# Altium PCB HIL_RIG_REV_1_2.PcbDoc (part 3 of 14) (continued)
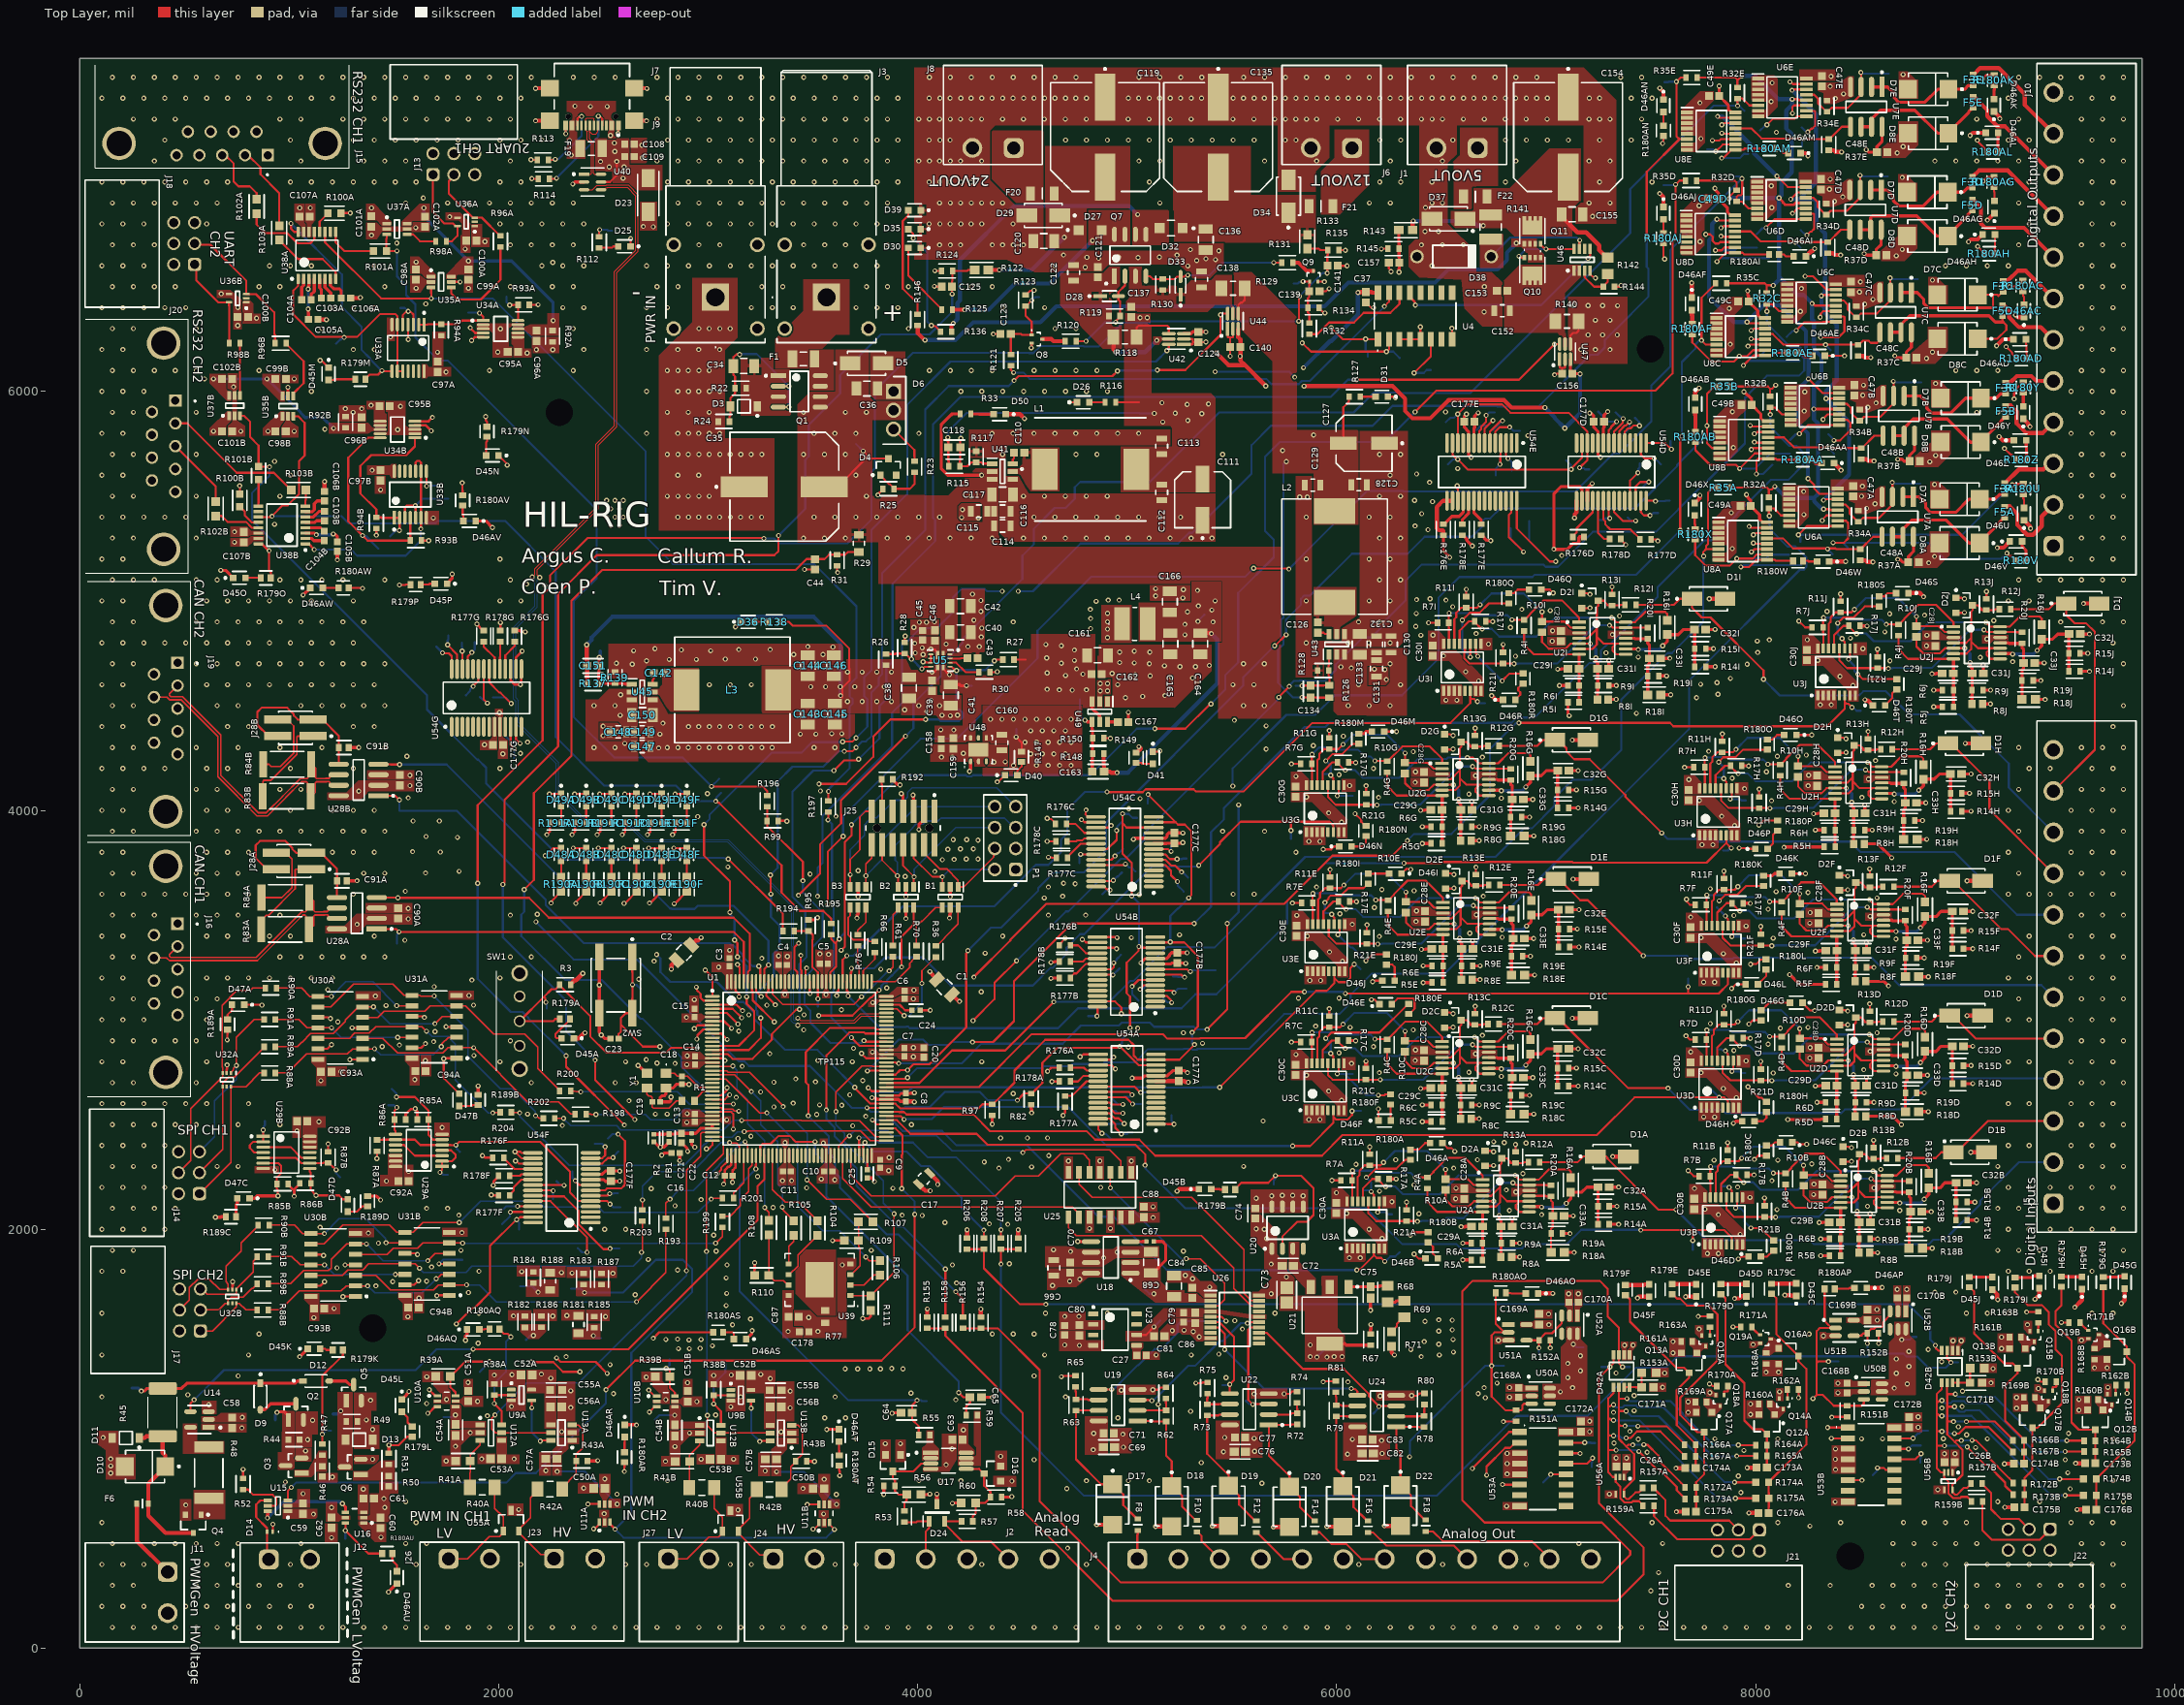
[diagram p0: Top Layer view]
## Components (designator, comment, footprint, x,y, rotation, side; value= is the part's Value field where it differs from the comment) (continued)
R168A "AC0603FR-07100KL" FP-AC0603-IPC_C#1 8050.49,1383.96 r270 top value=100k (schematic designator R168)
R168B "AC0603FR-07100KL" FP-AC0603-IPC_C#1 9618.09,1404.96 r270 top value=100k (schematic designator R168)
R169A "AC0603FR-07100KL" FP-AC0603-IPC_C#1 7739.36,1176 r180 top value=100k (schematic designator R169)
R169B "AC0603FR-07100KL" FP-AC0603-IPC_C#1 9306.96,1197 r180 top value=100k (schematic designator R169)
R170A "RT0603BRD0710KL" FP-RT0603-IPC_C 7841.36,1252 r180 top value=10k (schematic designator R170)
R170B "RT0603BRD0710KL" FP-RT0603-IPC_C 9408.96,1273 r180 top value=10k (schematic designator R170)
R171A "RT0603BRD0710KL" FP-RT0603-IPC_C 7955.36,1534 r180 top value=10k (schematic designator R171)
R171B "RT0603BRD0710KL" FP-RT0603-IPC_C 9522.96,1555 r180 top value=10k (schematic designator R171)
R172A "RT0603BRD074K7L" FP-RT0603-IPC_C 7689.36,768 r0 top value=4.7k (schematic designator R172)
R172B "RT0603BRD074K7L" FP-RT0603-IPC_C 9256.96,789 r0 top value=4.7k (schematic designator R172)
R173A "RT0603BRD074K7L" FP-RT0603-IPC_C 7689.36,712 r0 top value=4.7k (schematic designator R173)
R173B "RT0603BRD074K7L" FP-RT0603-IPC_C 9256.96,733 r0 top value=4.7k (schematic designator R173)
R174A "RT0603BRD071KL" FP-RT0603-IPC_B#1 8032,792 r0 top value=1k (schematic designator R174)
R174B "RT0603BRD071KL" FP-RT0603-IPC_B#1 9596,808 r0 top value=1k (schematic designator R174)
R175A "RT0603BRD071KL" FP-RT0603-IPC_B#2 8032,716 r0 top value=1k (schematic designator R175)
R175B "RT0603BRD071KL" FP-RT0603-IPC_B#1 9596,730 r0 top value=1k (schematic designator R175)
R176A "RT0603BRD0710KL" FP-RT0603-IPC_C 4702,2772 r180 top value=10k (schematic designator R176)
R176B "RT0603BRD0710KL" FP-RT0603-IPC_C 4702,3356 r180 top value=10k (schematic designator R176)
R176C "RT0603BRD0710KL" FP-RT0603-IPC_C 4684,3936 r180 top value=10k (schematic designator R176)
R176D "RT0603BRD0710KL" FP-RT0603-IPC_C 7154,5306 r0 top value=10k (schematic designator R176)
R176E "RT0603BRD0710KL" FP-RT0603-IPC_C 6510,5340 r270 top value=10k (schematic designator R176)
R176F "RT0603BRD0710KL" FP-RT0603-IPC_C 1998,2342 r180 top value=10k (schematic designator R176)
R176G "RT0603BRD0710KL" FP-RT0603-IPC_C 2076,4832 r90 top value=10k (schematic designator R176)
R177A "RT0603BRD0710KL" FP-RT0603-IPC_C 4704,2610 r90 top value=10k (schematic designator R177)
R177B "RT0603BRD0710KL" FP-RT0603-IPC_C 4702,3200 r0 top value=10k (schematic designator R177)
R177C "RT0603BRD0710KL" FP-RT0603-IPC_C 4688,3774 r0 top value=10k (schematic designator R177)
R177D "RT0603BRD0710KL" FP-RT0603-IPC_C 7474,5294 r180 top value=10k (schematic designator R177)
R177E "RT0603BRD0710KL" FP-RT0603-IPC_C 6690,5340 r90 top value=10k (schematic designator R177)
R177F "RT0603BRD0710KL" FP-RT0603-IPC_C 2026,2162 r0 top value=10k (schematic designator R177)
R177G "RT0603BRD0710KL" FP-RT0603-IPC_C 1928,4832 r270 top value=10k (schematic designator R177)
R178A "RT0603BRD0710KL" FP-RT0603-IPC_C 4702,2706 r0 top value=10k (schematic designator R178)
R178B "RT0603BRD0710KL" FP-RT0603-IPC_C 4702,3278 r0 top value=10k (schematic designator R178)
R178C "RT0603BRD0710KL" FP-RT0603-IPC_C 4686,3852 r0 top value=10k (schematic designator R178)
R178D "RT0603BRD0710KL" FP-RT0603-IPC_C 7330,5296 r180 top value=10k (schematic designator R178)
R178E "RT0603BRD0710KL" FP-RT0603-IPC_C 6600,5340 r90 top value=10k (schematic designator R178)
R178F "RT0603BRD0710KL" FP-RT0603-IPC_C 2026,2256 r0 top value=10k (schematic designator R178)
R178G "RT0603BRD0710KL" FP-RT0603-IPC_C 2007.79,4832 r270 top value=10k (schematic designator R178)
R179A "CRCW0603680RJNEA" FP-CRCW0603-e3-IPC_C 2316.58,3003.85 r0 top value=680 (schematic designator R179)
R179B "CRCW0603680RJNEA" FP-CRCW0603-e3-IPC_C 5491.25,2189.91 r180 top value=680 (schematic designator R179)
R179C "CRCW0603680RJNEA" FP-CRCW0603-e3-IPC_C 8076,1716 r90 top value=680 (schematic designator R179)
R179D "CRCW0603680RJNEA" FP-CRCW0603-e3-IPC_C 7834,1714 r90 top value=680 (schematic designator R179)
R179E "CRCW0603680RJNEA" FP-CRCW0603-e3-IPC_C 7602,1713.77 r90 top value=680 (schematic designator R179)
R179F "CRCW0603680RJNEA" FP-CRCW0603-e3-IPC_C 7378,1710 r90 top value=680 (schematic designator R179)
R179G "CRCW0603680RJNEA" FP-CRCW0603-e3-IPC_C 9660,1748.23 r90 top value=680 (schematic designator R179)
R179H "CRCW0603680RJNEA" FP-CRCW0603-e3-IPC_C 9460,1750 r90 top value=680 (schematic designator R179)
R179I "CRCW0603680RJNEA" FP-CRCW0603-e3-IPC_C 9238,1746 r90 top value=680 (schematic designator R179)
R179J "CRCW0603680RJNEA" FP-CRCW0603-e3-IPC_C 9020,1748 r90 top value=680 (schematic designator R179)
R179K "CRCW0603680RJNEA" FP-CRCW0603-e3-IPC_C 1232.23,1424 r180 top value=680 (schematic designator R179)
R179L "CRCW0603680RJNEA" FP-CRCW0603-e3-IPC_C 1588,1034 r90 top value=680 (schematic designator R179)
R179M "CRCW0603680RJNEA" FP-CRCW0603-e3-IPC_C 1340,6058 r180 top value=680 (schematic designator R179)
R179N "CRCW0603680RJNEA" FP-CRCW0603-e3-IPC_C 1944,5807.77 r270 top value=680 (schematic designator R179)
R179O "CRCW0603680RJNEA" FP-CRCW0603-e3-IPC_C 888,5110 r180 top value=680 (schematic designator R179)
R179P "CRCW0603680RJNEA" FP-CRCW0603-e3-IPC_C 1603.77,5078 r0 top value=680 (schematic designator R179)
R180A "CRCW0603680RJNEA" FP-CRCW0603-e3-IPC_C 6352,2355.77 r90 top value=680 (schematic designator R180)
R180AA "CRCW0603680RJNEA" FP-CRCW0603-e3-IPC_C 8224.75,5674.4 r0 top value=680 (schematic designator R180)
R180AB "CRCW0603680RJNEA" FP-CRCW0603-e3-IPC_C 7712.47,5782.75 r90 top value=680 (schematic designator R180)
R180AC "CRCW0603680RJNEA" FP-CRCW0603-e3-IPC_C 9276.29,6503.91 r270 top value=680 (schematic designator R180)
R180AD "CRCW0603680RJNEA" FP-CRCW0603-e3-IPC_C 9268.82,6157.12 r0 top value=680 (schematic designator R180)
R180AE "CRCW0603680RJNEA" FP-CRCW0603-e3-IPC_C 8175.77,6184 r0 top value=680 (schematic designator R180)
R180AF "CRCW0603680RJNEA" FP-CRCW0603-e3-IPC_C 7698,6298.23 r90 top value=680 (schematic designator R180)
R180AG "CRCW0603680RJNEA" FP-CRCW0603-e3-IPC_C 9138,7000.23 r270 top value=680 (schematic designator R180)
R180AH "CRCW0603680RJNEA" FP-CRCW0603-e3-IPC_C 9115.79,6657.44 r0 top value=680 (schematic designator R180)
R180AI "CRCW0603680RJNEA" FP-CRCW0603-e3-IPC_C 8088.23,6654 r0 top value=680 (schematic designator R180)
R180AJ "CRCW0603680RJNEA" FP-CRCW0603-e3-IPC_C 7559.99,6731.65 r90 top value=680 (schematic designator R180)
R180AK "CRCW0603680RJNEA" FP-CRCW0603-e3-IPC_C 9140,7485.77 r270 top value=680 (schematic designator R180)
R180AL "CRCW0603680RJNEA" FP-CRCW0603-e3-IPC_C 9132.68,7142.98 r0 top value=680 (schematic designator R180)
R180AM "CRCW0603680RJNEA" FP-CRCW0603-e3-IPC_C 8065.81,7159.64 r0 top value=680 (schematic designator R180)
R180AN "CRCW0603680RJNEA" FP-CRCW0603-e3-IPC_C 7560,7244.23 r90 top value=680 (schematic designator R180)
R180AO "CRCW0603680RJNEA" FP-CRCW0603-e3-IPC_C 6783.81,1696.37 r0 top value=680 (schematic designator R180)
R180AP "CRCW0603680RJNEA" FP-CRCW0603-e3-IPC_C 8353.77,1716 r0 top value=680 (schematic designator R180)
R180AQ "CRCW0603680RJNEA" FP-CRCW0603-e3-IPC_C 1980,1524 r180 top value=680 (schematic designator R180)
R180AR "CRCW0603680RJNEA" FP-CRCW0603-e3-IPC_C 2601.04,911.95 r90 top value=680 (schematic designator R180)
R180AS "CRCW0603680RJNEA" FP-CRCW0603-e3-IPC_C 3047.77,1508 r0 top value=680 (schematic designator R180)
R180AT "CRCW0603680RJNEA" FP-CRCW0603-e3-IPC_C 3626,896 r90 top value=680 (schematic designator R180)
R180AU "CRCW0603680RJNEA" FP-CRCW0603-e3-IPC_C 1468,452 r0 top value=680 (schematic designator R180)
R180AV "CRCW0603680RJNEA" FP-CRCW0603-e3-IPC_C 1828,5480 r270 top value=680 (schematic designator R180)
R180AW "CRCW0603680RJNEA" FP-CRCW0603-e3-IPC_C 1259.77,5062 r180 top value=680 (schematic designator R180)
R180B "CRCW0603680RJNEA" FP-CRCW0603-e3-IPC_C 6437.59,1961.77 r270 top value=680 (schematic designator R180)
R180C "CRCW0603680RJNEA" FP-CRCW0603-e3-IPC_C 8052,2376 r90 top value=680 (schematic designator R180)
R180D "CRCW0603680RJNEA" FP-CRCW0603-e3-IPC_C 8086,1922.23 r270 top value=680 (schematic designator R180)
R180E "CRCW0603680RJNEA" FP-CRCW0603-e3-IPC_C 6344,3052.23 r270 top value=680 (schematic designator R180)
R180F "CRCW0603680RJNEA" FP-CRCW0603-e3-IPC_C 6257.41,2619.75 r270 top value=680 (schematic designator R180)
R180G "CRCW0603680RJNEA" FP-CRCW0603-e3-IPC_C 8026,3022 r90 top value=680 (schematic designator R180)
R180H "CRCW0603680RJNEA" FP-CRCW0603-e3-IPC_C 8052,2584 r270 top value=680 (schematic designator R180)
R180I "CRCW0603680RJNEA" FP-CRCW0603-e3-IPC_C 6151.07,3673.56 r90 top value=680 (schematic designator R180)
R180J "CRCW0603680RJNEA" FP-CRCW0603-e3-IPC_C 6238.16,3288.07 r270 top value=680 (schematic designator R180)
R180K "CRCW0603680RJNEA" FP-CRCW0603-e3-IPC_C 8038,3663.77 r90 top value=680 (schematic designator R180)
R180L "CRCW0603680RJNEA" FP-CRCW0603-e3-IPC_C 8050,3264 r270 top value=680 (schematic designator R180)
R180M "CRCW0603680RJNEA" FP-CRCW0603-e3-IPC_C 6106,4342 r90 top value=680 (schematic designator R180)
R180N "CRCW0603680RJNEA" FP-CRCW0603-e3-IPC_C 6140,3901.77 r270 top value=680 (schematic designator R180)
R180O "CRCW0603680RJNEA" FP-CRCW0603-e3-IPC_C 8056,4314.23 r90 top value=680 (schematic designator R180)
R180P "CRCW0603680RJNEA" FP-CRCW0603-e3-IPC_C 8105.4,3926.98 r270 top value=680 (schematic designator R180)
R180Q "CRCW0603680RJNEA" FP-CRCW0603-e3-IPC_C 6822,5012.23 r90 top value=680 (schematic designator R180)
R180R "CRCW0603680RJNEA" FP-CRCW0603-e3-IPC_C 6889.56,4629.02 r270 top value=680 (schematic designator R180)
R180S "CRCW0603680RJNEA" FP-CRCW0603-e3-IPC_C 8590,4997.77 r90 top value=680 (schematic designator R180)
R180T "CRCW0603680RJNEA" FP-CRCW0603-e3-IPC_C 8674.39,4602.25 r270 top value=680 (schematic designator R180)
R180U "CRCW0603680RJNEA" FP-CRCW0603-e3-IPC_C 9277.76,5534.59 r270 top value=680 (schematic designator R180)
R180V "CRCW0603680RJNEA" FP-CRCW0603-e3-IPC_C 9266.46,5191.8 r0 top value=680 (schematic designator R180)
R180W "CRCW0603680RJNEA" FP-CRCW0603-e3-IPC_C 8202.75,5191.37 r0 top value=680 (schematic designator R180)
R180X "CRCW0603680RJNEA" FP-CRCW0603-e3-IPC_C 7712,5317.77 r90 top value=680 (schematic designator R180)
R180Y "CRCW0603680RJNEA" FP-CRCW0603-e3-IPC_C 9277.99,6018.8 r270 top value=680 (schematic designator R180)
R180Z "CRCW0603680RJNEA" FP-CRCW0603-e3-IPC_C 9268.82,5674.58 r0 top value=680 (schematic designator R180)
R181 "RT0805BRD0710K2L" FP-RT0805-MFG 2380.64,1545.3 r270 top value=10.2k
R182 "RT0603BRD0711K5L" FP-RT0603-IPC_C 2125.64,1558.28 r270 top value=11.5k
R183 "RT0603BRD0711K5L" FP-RT0603-IPC_C 2405.64,1763.28 r270 top value=11.5k
R184 "RT0603BRD0711K3L" FP-RT0603-IPC_C 2165.64,1770 r270 top value=11.3k
R185 "RT0603BRD073K4L" FP-RT0603-IPC_C 2455.64,1556.64 r90 top value=3.4k
R186 "RT0603BRD076K98L" FP-RT0603-IPC_C 2203.81,1558.47 r90 top value=6.98k
R187 "RT0603BRD073K57L" FP-RT0603-IPC_C 2490.64,1763.28 r90 top value=3.57k
R188 "RT0805BRD0710K2L" FP-RT0805-MFG 2245.64,1751.64 r90 top value=10.2k
R189A "CRCW0603680RJNEA" FP-CRCW0603-e3-IPC_C 706,2977.77 r90 top value=680 (schematic designator R189)
R189B "CRCW0603680RJNEA" FP-CRCW0603-e3-IPC_C 1902,2618.23 r270 top value=680 (schematic designator R189)
R189C "CRCW0603680RJNEA" FP-CRCW0603-e3-IPC_C 722,2060 r0 top value=680 (schematic designator R189)
R189D "CRCW0603680RJNEA" FP-CRCW0603-e3-IPC_C 1374,2134 r270 top value=680 (schematic designator R189)
R190A "CRGCQ0603J470R" FP-CRGCQ0603-IPC_A 2298,3647.44 r90 top value=470 (schematic designator R190)
R190B "CRGCQ0603J470R" FP-CRGCQ0603-IPC_A 2418,3647.44 r90 top value=470 (schematic designator R190)
R190C "CRGCQ0603J470R" FP-CRGCQ0603-IPC_A 2538,3647.44 r90 top value=470 (schematic designator R190)
R190D "CRGCQ0603J470R" FP-CRGCQ0603-IPC_A 2658,3647.44 r90 top value=470 (schematic designator R190)
R190E "CRGCQ0603J470R" FP-CRGCQ0603-IPC_A 2778,3647.44 r90 top value=470 (schematic designator R190)
R190F "CRGCQ0603J470R" FP-CRGCQ0603-IPC_A 2898,3647.44 r90 top value=470 (schematic designator R190)
R191A "RT0603DRE07180RL" FP-RT0603-IPC_C 2271.36,3940 r0 top value=180 (schematic designator R191)
R191B "RT0603DRE07180RL" FP-RT0603-IPC_C 2391.36,3940 r0 top value=180 (schematic designator R191)
R191C "RT0603DRE07180RL" FP-RT0603-IPC_C 2511.36,3940 r0 top value=180 (schematic designator R191)
R191D "RT0603DRE07180RL" FP-RT0603-IPC_C 2631.36,3940 r0 top value=180 (schematic designator R191)
R191E "RT0603DRE07180RL" FP-RT0603-IPC_C 2751.36,3940 r0 top value=180 (schematic designator R191)
R191F "RT0603DRE07180RL" FP-RT0603-IPC_C 2871.36,3940 r0 top value=180 (schematic designator R191)
R192 "RT0603BRD07100RL" FP-RT0603-IPC_C 3854.64,4148 r0 top value=100
R193 "AC0603FR-0733RL" FP-AC0603-IPC_C#2 2798,2026.64 r90 top value=33
R194 "AC0603FR-0733RL" FP-AC0603-IPC_C#2 3383.36,3424 r0 top value=33
R195 "AC0603FR-0733RL" FP-AC0603-IPC_C#2 3588,3432.64 r270 top value=33
R196 "AC0603FR-0733RL" FP-AC0603-IPC_C#2 3282,4044 r270 top value=33
R197 "AC0603FR-0733RL" FP-AC0603-IPC_C#2 3574,4018.64 r270 top value=33
R198 "AC0603FR-0733RL" FP-AC0603-IPC_C#2 2392,2550 r0 top value=33
R199 "AC0603FR-0733RL" FP-AC0603-IPC_C#2 3068,2036 r90 top value=33
R200 "AC0603FR-0733RL" FP-AC0603-IPC_C#2 2318,2660 r0 top value=33
R201 "AC0603FR-0733RL" FP-AC0603-IPC_C#2 3094,2149.02 r0 top value=33
R202 "AC0603FR-0733RL" FP-AC0603-IPC_C#2 2240,2530 r0 top value=33
R203 "AC0603FR-0733RL" FP-AC0603-IPC_C#2 2686,2066.64 r90 top value=33
R204 "AC0603FR-0733RL" FP-AC0603-IPC_C#2 2034,2558 r0 top value=33
R205 "RT0603BRD072K2L" FP-RT0603-IPC_C 4480,1932 r90 top value=2.2k
R206 "RT0603BRD072K2L" FP-RT0603-IPC_C 4236,1932 r90 top value=2.2k
R207 "AC0603FR-0733RL" FP-AC0603-IPC_C#2 4398,1932 r90 top value=33
R208 "AC0603FR-0733RL" FP-AC0603-IPC_C#2 4316,1932 r90 top value=33
SW1 "SW-SPDT-3_C" SS12F44G5 2100,3112.11 r270 top
SW2 "EVQ-Q2Y03W" PNSC-EVQQ2_V 2559.07,3165.95 r270 top
TP1 "TPAD6R" TP06R#1 2220,3066 r90 bottom
TP2 "TPAD6R" TP06R#2 2677.05,3147.73 r180 bottom
TP3A "TPAD6R" TP06R#2 6325.89,2269.79 r90 bottom (schematic designator TP3)
TP3B "TPAD6R" TP06R#2 8034.89,2289.79 r90 bottom (schematic designator TP3)
TP3C "TPAD6R" TP06R#2 6132.89,2929.79 r90 bottom (schematic designator TP3)
TP3D "TPAD6R" TP06R#2 8016.89,2941.79 r90 bottom (schematic designator TP3)
TP3E "TPAD6R" TP06R#2 6136.89,3593.79 r90 bottom (schematic designator TP3)
TP3F "TPAD6R" TP06R#2 8016.89,3585.79 r90 bottom (schematic designator TP3)
TP3G "TPAD6R" TP06R#2 6132.89,4257.79 r90 bottom (schematic designator TP3)
TP3H "TPAD6R" TP06R#2 8008.89,4241.79 r90 bottom (schematic designator TP3)
TP3I "TPAD6R" TP06R#2 6786.89,4931.79 r90 bottom (schematic designator TP3)
TP3J "TPAD6R" TP06R#2 8573.89,4909.79 r90 bottom (schematic designator TP3)
TP4A "TPAD6R" TP06R#2 6401.89,2373.79 r90 bottom (schematic designator TP4)
TP4B "TPAD6R" TP06R#2 8110.89,2393.79 r90 bottom (schematic designator TP4)
TP4C "TPAD6R" TP06R#2 6208.89,3033.79 r90 bottom (schematic designator TP4)
TP4D "TPAD6R" TP06R#2 8092.89,3045.79 r90 bottom (schematic designator TP4)
TP4E "TPAD6R" TP06R#2 6212.89,3697.79 r90 bottom (schematic designator TP4)
TP4F "TPAD6R" TP06R#2 8160,3654 r90 bottom (schematic designator TP4)
TP4G "TPAD6R" TP06R#2 6208.89,4361.79 r90 bottom (schematic designator TP4)
TP4H "TPAD6R" TP06R#2 8084.89,4345.79 r90 bottom (schematic designator TP4)
TP4I "TPAD6R" TP06R#2 6862.89,5035.79 r90 bottom (schematic designator TP4)
TP4J "TPAD6R" TP06R#2 8649.89,5013.79 r90 bottom (schematic designator TP4)
TP5A "TPAD6R" TP06R#2 6131.89,2185.79 r90 bottom (schematic designator TP5)
TP5B "TPAD6R" TP06R#2 7840.89,2205.79 r90 bottom (schematic designator TP5)
TP5C "TPAD6R" TP06R#2 5938.89,2845.79 r90 bottom (schematic designator TP5)
TP5D "TPAD6R" TP06R#2 7816,2860 r90 bottom (schematic designator TP5)
TP5E "TPAD6R" TP06R#2 5942.89,3509.79 r90 bottom (schematic designator TP5)
TP5F "TPAD6R" TP06R#2 7816,3536 r90 bottom (schematic designator TP5)
TP5G "TPAD6R" TP06R#2 5938.89,4173.79 r90 bottom (schematic designator TP5)
TP5H "TPAD6R" TP06R#2 7814.89,4157.79 r90 bottom (schematic designator TP5)
TP5I "TPAD6R" TP06R#2 6600,4868 r90 bottom (schematic designator TP5)
TP5J "TPAD6R" TP06R#2 8390,4856 r90 bottom (schematic designator TP5)
TP6A "TPAD6R" TP06R#2 6264,2072 r90 bottom (schematic designator TP6)
TP6B "TPAD6R" TP06R#2 7948,2080 r90 bottom (schematic designator TP6)
TP6C "TPAD6R" TP06R#2 6076,2742 r90 bottom (schematic designator TP6)
TP6D "TPAD6R" TP06R#2 7950,2746 r90 bottom (schematic designator TP6)
TP6E "TPAD6R" TP06R#2 6098,3326 r90 bottom (schematic designator TP6)
TP6F "TPAD6R" TP06R#2 7956,3388 r90 bottom (schematic designator TP6)
TP6G "TPAD6R" TP06R#2 6076,4070 r90 bottom (schematic designator TP6)
TP6H "TPAD6R" TP06R#2 7952,4048 r90 bottom (schematic designator TP6)
TP6I "TPAD6R" TP06R#2 6692,4714 r90 bottom (schematic designator TP6)
TP6J "TPAD6R" TP06R#2 8472,4690 r90 bottom (schematic designator TP6)
TP7A "TPAD6R" TP06R#2 6279,2204.79 r90 bottom (schematic designator TP7)
TP7B "TPAD6R" TP06R#2 7988,2224.79 r90 bottom (schematic designator TP7)
TP7C "TPAD6R" TP06R#2 6086,2864.79 r90 bottom (schematic designator TP7)
TP7D "TPAD6R" TP06R#2 7970,2876.79 r90 bottom (schematic designator TP7)
TP7E "TPAD6R" TP06R#2 6090,3528.79 r90 bottom (schematic designator TP7)
TP7F "TPAD6R" TP06R#2 7970,3520.79 r90 bottom (schematic designator TP7)
TP7G "TPAD6R" TP06R#2 6086,4192.79 r90 bottom (schematic designator TP7)
TP7H "TPAD6R" TP06R#2 7962,4176.79 r90 bottom (schematic designator TP7)
TP7I "TPAD6R" TP06R#2 6740,4866.79 r90 bottom (schematic designator TP7)
TP7J "TPAD6R" TP06R#2 8527,4844.79 r90 bottom (schematic designator TP7)
TP8A "TPAD6R" TP06R#2 6425.89,2039.79 r90 bottom (schematic designator TP8)
TP8B "TPAD6R" TP06R#2 8134.89,2059.79 r90 bottom (schematic designator TP8)
TP8C "TPAD6R" TP06R#2 6256,2714 r90 bottom (schematic designator TP8)
TP8D "TPAD6R" TP06R#2 8116.89,2711.79 r90 bottom (schematic designator TP8)
TP8E "TPAD6R" TP06R#2 6236.89,3363.79 r90 bottom (schematic designator TP8)
TP8F "TPAD6R" TP06R#2 8116.89,3355.79 r90 bottom (schematic designator TP8)
TP8G "TPAD6R" TP06R#2 6232.89,4027.79 r90 bottom (schematic designator TP8)
TP8H "TPAD6R" TP06R#2 8108.89,4011.79 r90 bottom (schematic designator TP8)
TP8I "TPAD6R" TP06R#2 6886.89,4701.79 r90 bottom (schematic designator TP8)
TP8J "TPAD6R" TP06R#2 8673.89,4679.79 r90 bottom (schematic designator TP8)
TP9 "TPAD6R" TP06R#2 3705,5750 r90 bottom
TP10 "TPAD6R" TP06R#2 6148,6166 r180 bottom
TP11 "TPAD6R" TP06R#2 6300,6160 r180 bottom
TP12 "TPAD6R" TP06R#2 6450,6102 r180 bottom
TP13 "TPAD6R" TP06R#2 4258.22,4595.25 r270 bottom
TP14 "TPAD6R" TP06R#2 4343.22,4690.25 r0 bottom
TP15A "TPAD6R" TP06R#2 8784.96,5560.33 r90 bottom (schematic designator TP15)
TP15B "TPAD6R" TP06R#2 8790.15,6042.52 r90 bottom (schematic designator TP15)
TP15C "TPAD6R" TP06R#2 8774.98,6535.88 r90 bottom (schematic designator TP15)
TP15D "TPAD6R" TP06R#2 8630.98,7025.88 r90 bottom (schematic designator TP15)
TP15E "TPAD6R" TP06R#2 8634.87,7517.33 r90 bottom (schematic designator TP15)
TP16A "TPAD6R" TP06R#2 8440,5254 r90 bottom (schematic designator TP16)
TP16B "TPAD6R" TP06R#2 8348,5796 r90 bottom (schematic designator TP16)
TP16C "TPAD6R" TP06R#2 8360.16,6279.11 r90 bottom (schematic designator TP16)
TP16D "TPAD6R" TP06R#2 8216.16,6769.11 r90 bottom (schematic designator TP16)
TP16E "TPAD6R" TP06R#2 8220.05,7260.56 r90 bottom (schematic designator TP16)
TP17A "TPAD6R" TP06R#2 8214,5282 r90 bottom (schematic designator TP17)
TP17B "TPAD6R" TP06R#2 8164.33,5768.07 r90 bottom (schematic designator TP17)
TP17C "TPAD6R" TP06R#2 8149.16,6261.43 r90 bottom (schematic designator TP17)
TP17D "TPAD6R" TP06R#2 8005.16,6751.43 r90 bottom (schematic designator TP17)
TP17E "TPAD6R" TP06R#2 8022,7246 r90 bottom (schematic designator TP17)
TP18A "TPAD6R" TP06R#2 8068,5344 r90 bottom (schematic designator TP18)
TP18B "TPAD6R" TP06R#2 8070,5860.07 r90 bottom (schematic designator TP18)
TP18C "TPAD6R" TP06R#2 8054,6346 r90 bottom (schematic designator TP18)
TP18D "TPAD6R" TP06R#2 7895.16,7026.43 r90 bottom (schematic designator TP18)
TP18E "TPAD6R" TP06R#2 7946,7340 r90 bottom (schematic designator TP18)
TP19A "TPAD6R" TP06R#2 8159.14,5220.88 r90 bottom (schematic designator TP19)
TP19B "TPAD6R" TP06R#2 8164.33,5703.07 r90 bottom (schematic designator TP19)
TP19C "TPAD6R" TP06R#2 8149.16,6196.43 r90 bottom (schematic designator TP19)
TP19D "TPAD6R" TP06R#2 8005.16,6686.43 r90 bottom (schematic designator TP19)
TP19E "TPAD6R" TP06R#2 7768,7156 r90 bottom (schematic designator TP19)
TP20A "TPAD6R" TP06R#2 8219.14,5170.88 r90 bottom (schematic designator TP20)
TP20B "TPAD6R" TP06R#2 8080,5650 r90 bottom (schematic designator TP20)
TP20C "TPAD6R" TP06R#2 8209.16,6146.43 r90 bottom (schematic designator TP20)
TP20D "TPAD6R" TP06R#2 8065.16,6636.43 r90 bottom (schematic designator TP20)
TP20E "TPAD6R" TP06R#2 7964,7134 r90 bottom (schematic designator TP20)
TP21A "TPAD6R" TP06R#3 2158,1082 r180 top (schematic designator TP21)
TP21B "TPAD6R" TP06R#3 3205.26,1080.52 r180 top (schematic designator TP21)
TP22A "TPAD6R" TP06R#3 1738,1104 r180 top (schematic designator TP22)
TP22B "TPAD6R" TP06R#3 2746.73,1091.46 r180 top (schematic designator TP22)
TP23A "TPAD6R" TP06R#3 2426,824 r270 top (schematic designator TP23)
TP23B "TPAD6R" TP06R#3 3473.26,822.52 r270 top (schematic designator TP23)
TP24A "TPAD6R" TP06R#3 2034.47,1357.94 r270 top (schematic designator TP24)
TP24B "TPAD6R" TP06R#3 3081.73,1356.46 r270 top (schematic designator TP24)
TP25A "TPAD6R" TP06R#3 1910,1320 r90 top (schematic designator TP25)
TP25B "TPAD6R" TP06R#3 2816,1378 r90 top (schematic designator TP25)
TP26A "TPAD6R" TP06R#2 6300,1890 r90 bottom (schematic designator TP26)
TP26B "TPAD6R" TP06R#2 7700,1902 r90 bottom (schematic designator TP26)
TP26C "TPAD6R" TP06R#2 6116.89,2565.79 r90 bottom (schematic designator TP26)
TP26D "TPAD6R" TP06R#2 7786,2670 r90 bottom (schematic designator TP26)
TP26E "TPAD6R" TP06R#2 6114,3242 r90 bottom (schematic designator TP26)
TP26F "TPAD6R" TP06R#3 7678,3198 r90 top (schematic designator TP26)
TP26G "TPAD6R" TP06R#2 5782,3864 r90 bottom (schematic designator TP26)
TP26H "TPAD6R" TP06R#2 7844,3808 r90 bottom (schematic designator TP26)
TP26I "TPAD6R" TP06R#2 6708,4512 r90 bottom (schematic designator TP26)
TP26J "TPAD6R" TP06R#2 8502,4476 r90 bottom (schematic designator TP26)
TP27A "TPAD6R" TP06R#3 2381.94,1265.94 r180 top (schematic designator TP27)
TP27B "TPAD6R" TP06R#3 2994,1150 r90 top (schematic designator TP27)
TP28 "TPAD6R" TP06R#2 2818,3128 r0 bottom
TP29 "TPAD6R" TP06R#2 250,1242 r180 bottom
TP30 "TPAD6R" TP06R#2 934,1090 r270 bottom
TP31 "TPAD6R" TP06R#2 1210,1118 r180 bottom
TP32 "TPAD6R" TP06R#2 1200,1038 r180 bottom
TP33 "TPAD6R" TP06R#2 1476,1007 r180 bottom
TP34 "TPAD6R" TP06R#2 1268,524 r180 bottom
TP35 "TPAD6R" TP06R#2 4042,1180 r180 bottom
TP36 "TPAD6R" TP06R#2 4196,1274 r180 bottom
TP37 "TPAD6R" TP06R#2 5082,1716 r270 bottom
TP38 "TPAD6R" TP06R#2 4966,1266 r90 bottom
TP39 "TPAD6R" TP06R#2 5962,1444 r90 bottom
TP40 "TPAD6R" TP06R#2 5152,1210 r90 bottom
TP41 "TPAD6R" TP06R#2 5700,2214 r180 bottom
TP42 "TPAD6R" TP06R#2 5456,1256 r270 bottom
TP43 "TPAD6R" TP06R#2 5566,1182 r0 bottom
TP44 "TPAD6R" TP06R#2 5158,1564 r90 bottom
TP45 "TPAD6R" TP06R#2 5874,1240 r90 bottom
TP46 "TPAD6R" TP06R#2 6174,1120 r90 bottom
TP47A "TPAD6R" TP06R#2 4976,2910 r90 bottom (schematic designator TP47)
TP47B "TPAD6R" TP06R#2 5056,3474 r270 bottom (schematic designator TP47)
TP47C "TPAD6R" TP06R#2 5046,3964 r270 bottom (schematic designator TP47)
TP47D "TPAD6R" TP06R#2 7206,5628 r90 bottom (schematic designator TP47)
TP47E "TPAD6R" TP06R#2 6522,5854 r270 bottom (schematic designator TP47)
TP47F "TPAD6R" TP06R#2 2572,2372 r90 bottom (schematic designator TP47)
TP47G "TPAD6R" TP06R#2 2074,4248 r0 bottom (schematic designator TP47)
TP48A "TPAD6R" TP06R#2 1490,2670 r90 bottom (schematic designator TP48)
TP48B "TPAD6R" TP06R#3 906,2158 r180 top (schematic designator TP48)
TP49A "TPAD6R" TP06R#2 1472,2592 r90 bottom (schematic designator TP49)
TP49B "TPAD6R" TP06R#3 1826,1854 r90 top (schematic designator TP49)
TP50A "TPAD6R" TP06R#2 1814,2370 r270 bottom (schematic designator TP50)
TP50B "TPAD6R" TP06R#2 1244,2248 r0 bottom (schematic designator TP50)
TP51A "TPAD6R" TP06R#2 1758,2260 r180 bottom (schematic designator TP51)
TP51B "TPAD6R" TP06R#2 884,2516 r0 bottom (schematic designator TP51)
TP52A "TPAD6R" TP06R#3 1530,6398 r270 top (schematic designator TP52)
TP52B "TPAD6R" TP06R#3 1760,5488 r90 top (schematic designator TP52)
TP53A "TPAD6R" TP06R#3 2260,6396 r0 top (schematic designator TP53)
TP53B "TPAD6R" TP06R#3 1076,5876 r0 top (schematic designator TP53)
TP54A "TPAD6R" TP06R#3 1854,6376 r90 top (schematic designator TP54)
TP54B "TPAD6R" TP06R#3 1482,5308 r270 top (schematic designator TP54)
TP55A "TPAD6R" TP06R#3 1224,6228 r0 top (schematic designator TP55)
TP55B "TPAD6R" TP06R#3 1556,5216 r270 top (schematic designator TP55)
TP56A "TPAD6R" TP06R#3 2038,6452 r180 top (schematic designator TP56)
TP56B "TPAD6R" TP06R#3 1426,5250 r180 top (schematic designator TP56)
TP57A "TPAD6R" TP06R#3 1408,6132 r270 top (schematic designator TP57)
TP57B "TPAD6R" TP06R#3 1716,5550 r270 top (schematic designator TP57)
TP58 "TPAD6R" TP06R#2 3054,3774 r0 bottom
TP59 "TPAD6R" TP06R#2 3524,3064 r90 bottom
TP60 "TPAD6R" TP06R#2 3052,4150 r0 bottom
TP61 "TPAD6R" TP06R#2 3584.64,2890 r0 bottom
TP62 "TPAD6R" TP06R#2 2542,6768 r270 bottom
TP63 "TPAD6R" TP06R#2 5090,5895 r270 bottom
TP64 "TPAD6R" TP06R#2 4205,5808 r180 bottom
TP65 "TPAD6R" TP06R#2 4580,6450 r270 bottom
TP66 "TPAD6R" TP06R#2 5746,5608 r180 bottom
TP67 "TPAD6R" TP06R#2 5805.47,4595 r180 bottom
TP68 "TPAD6R" TP06R#2 5795,6515 r90 bottom
TP69 "TPAD6R" TP06R#2 3632,4672 r90 bottom locked
TP70 "TPAD6R" TP06R#2 2485,4760 r90 bottom
TP71 "TPAD6R" TP06R#2 7085,6520 r180 bottom
TP72 "TPAD6R" TP06R#3 4472,4388 r90 top
TP73 "TPAD6R" TP06R#2 5368,4934 r0 bottom
TP74 "TPAD6R" TP06R#3 4773.69,4530.4 r270 top
TP75A "TPAD6R" TP06R#2 6798,1348 r270 bottom (schematic designator TP75)
TP75B "TPAD6R" TP06R#2 8395.6,1369 r270 bottom (schematic designator TP75)
TP76A "TPAD6R" TP06R#2 7178,1436 r270 bottom (schematic designator TP76)
TP76B "TPAD6R" TP06R#2 8768,1486 r270 bottom (schematic designator TP76)
TP77A "TPAD6R" TP06R#2 6966,1402 r90 bottom (schematic designator TP77)
TP77B "TPAD6R" TP06R#2 8533.6,1423 r90 bottom (schematic designator TP77)
TP78A "TPAD6R" TP06R#2 7399.61,1343.23 r180 bottom (schematic designator TP78)
TP78B "TPAD6R" TP06R#2 8967.22,1364.23 r180 bottom (schematic designator TP78)
TP79A "TPAD6R" TP06R#2 7264.61,1343.23 r180 bottom (schematic designator TP79)
TP79B "TPAD6R" TP06R#2 8834,1474 r180 bottom (schematic designator TP79)
TP80A "TPAD6R" TP06R#2 7120,930 r180 bottom (schematic designator TP80)
TP80B "TPAD6R" TP06R#2 8788,968 r180 bottom (schematic designator TP80)
TP81A "TPAD6R" TP06R#2 6986,792 r180 bottom (schematic designator TP81)
TP81B "TPAD6R" TP06R#2 8559.6,827 r180 bottom (schematic designator TP81)
TP82A "TPAD6R" TP06R#2 7218,866 r180 bottom (schematic designator TP82)
TP82B "TPAD6R" TP06R#2 8786,886 r180 bottom (schematic designator TP82)
TP83A "TPAD6R" TP06R#2 7234,980 r180 bottom (schematic designator TP83)
TP83B "TPAD6R" TP06R#2 8822,1038 r180 bottom (schematic designator TP83)
TP84A "TPAD6R" TP06R#2 5128,2652 r90 bottom (schematic designator TP84)
TP84B "TPAD6R" TP06R#2 4970,3310 r270 bottom (schematic designator TP84)
TP84C "TPAD6R" TP06R#2 4978,3948 r270 bottom (schematic designator TP84)
TP84D "TPAD6R" TP06R#2 7256,5386 r180 bottom (schematic designator TP84)
TP84F "TPAD6R" TP06R#2 2276,2230 r180 bottom (schematic designator TP84)
TP84G "TPAD6R" TP06R#2 1974,4540 r0 bottom (schematic designator TP84)
TP85A "TPAD6R" TP06R#2 4986,2632 r90 bottom (schematic designator TP85)
TP85B "TPAD6R" TP06R#2 4964,3246 r270 bottom (schematic designator TP85)
TP85C "TPAD6R" TP06R#2 4772,3748 r270 bottom (schematic designator TP85)
TP85D "TPAD6R" TP06R#2 7390,5398 r0 bottom (schematic designator TP85)
TP85F "TPAD6R" TP06R#2 2260,2144 r0 bottom (schematic designator TP85)
TP85G "TPAD6R" TP06R#2 1910,4542 r0 bottom (schematic designator TP85)
TP86A "TPAD6R" TP06R#2 5066,2598 r270 bottom (schematic designator TP86)
TP86C "TPAD6R" TP06R#2 4980,3816 r270 bottom (schematic designator TP86)
TP86F "TPAD6R" TP06R#2 2576,1908 r90 bottom (schematic designator TP86)
TP86G "TPAD6R" TP06R#2 1844,4550 r0 bottom (schematic designator TP86)
TP87A "TPAD6R" TP06R#2 4924,2628 r270 bottom (schematic designator TP87)